# KiCad board WS2812B LED Ring7.kicad_pcb
title: Smart LED WS2812B Ring7; date: 2021-07-26; rev: V1.0.0.; company: SOLDERED; note: 333055
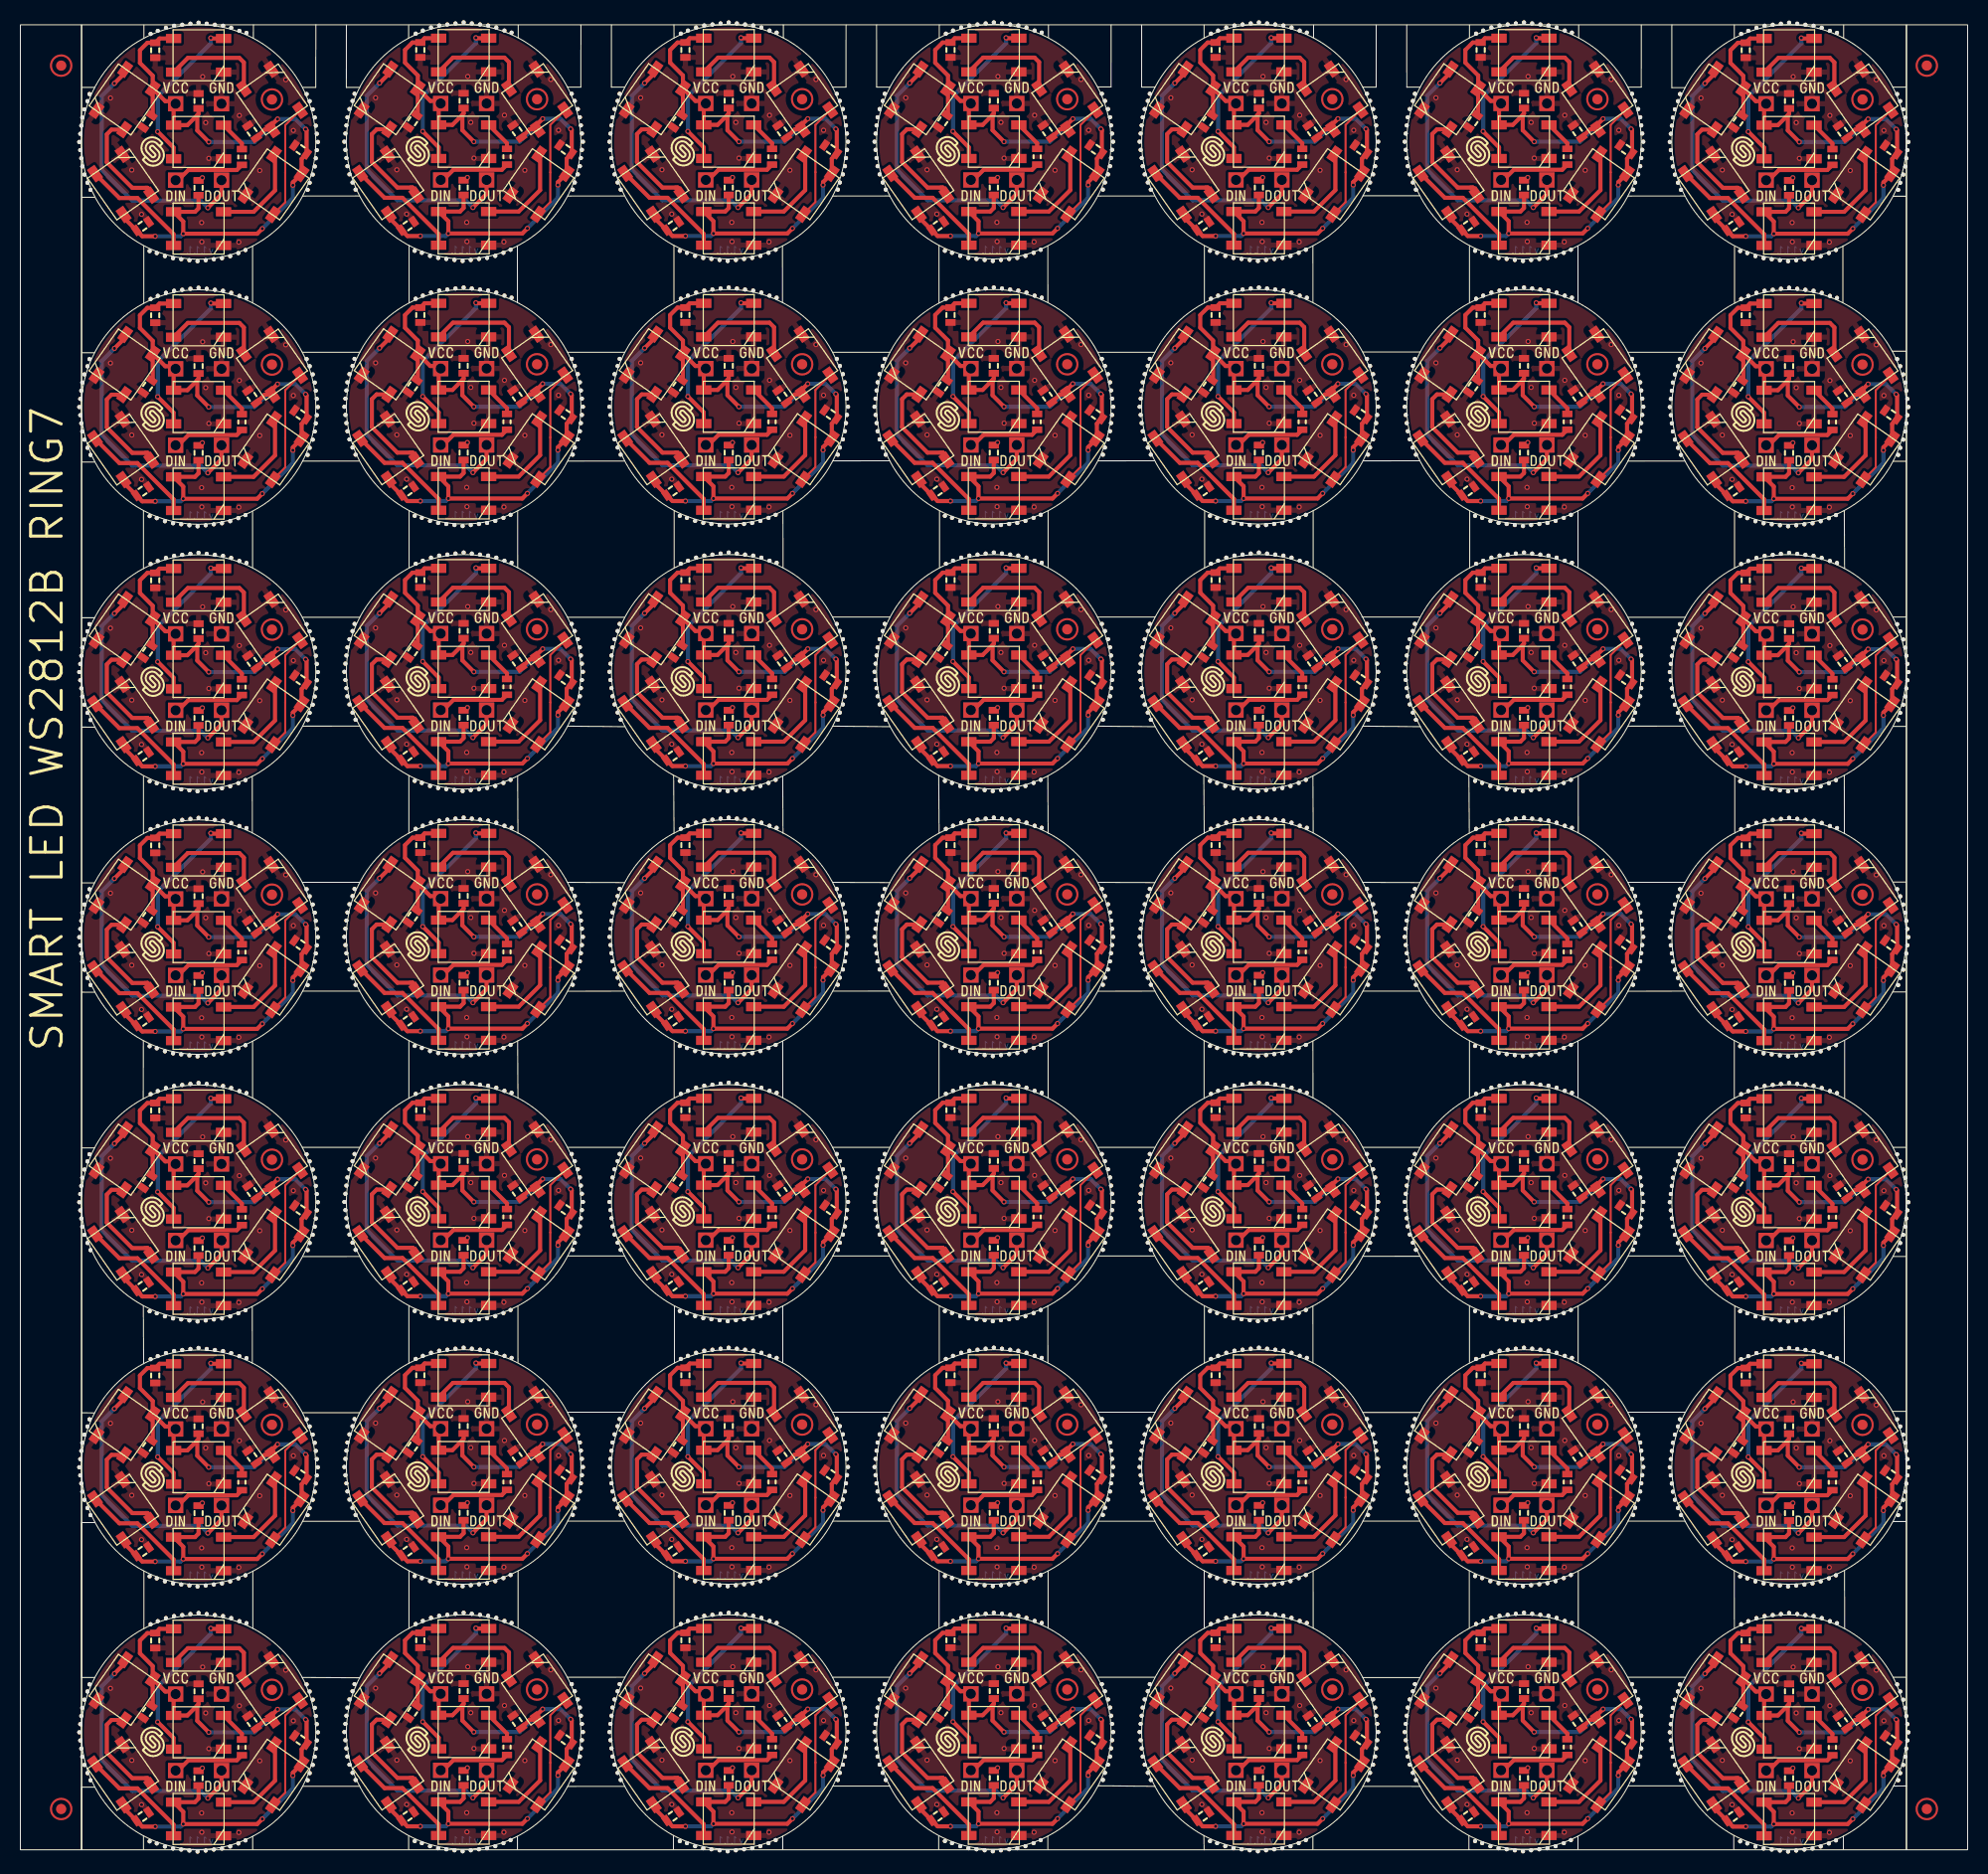
[diagram p0: board, top side]
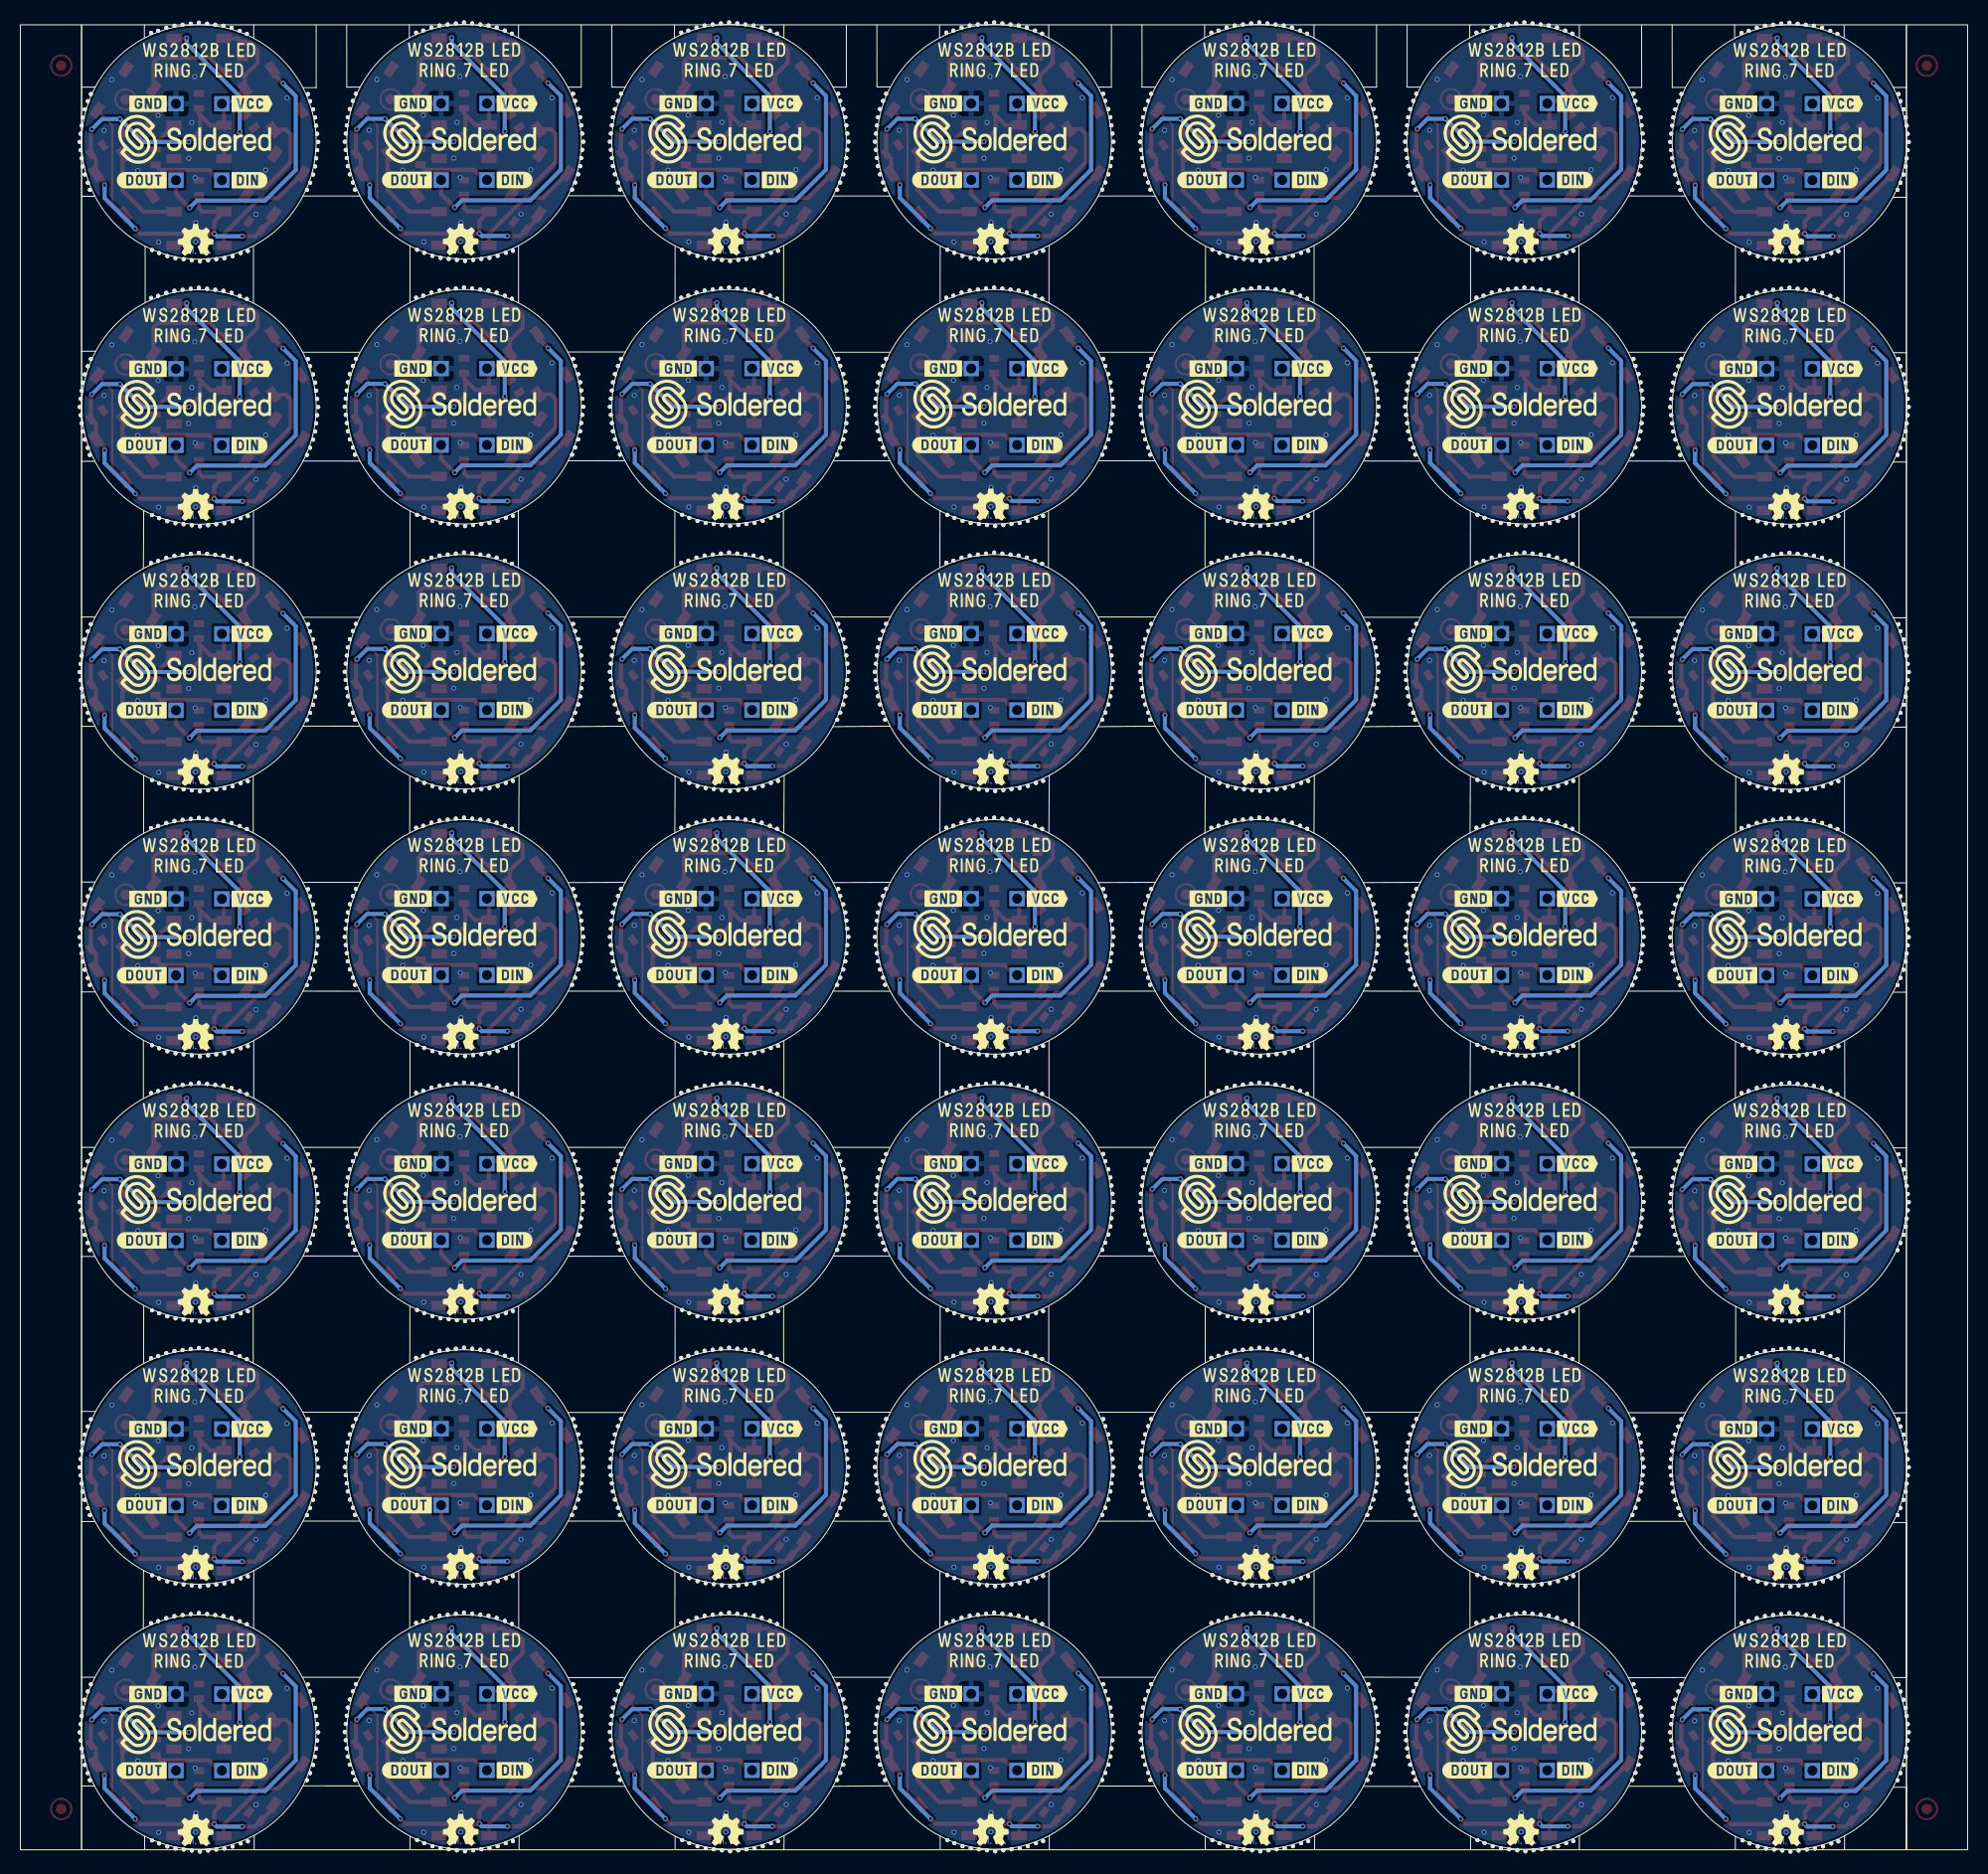
[diagram p1: board, bottom side, seen from below]

Outline 190.99 x 179.06 mm; copper layers: Top, Bottom. Coordinates in mm from the lower left corner of the outline.
Outline path: rectangle 0,179.02 6,0.01 ; rectangle 6,179.02 184.99,0.01 ; circle c17.47,167.53 r11.5 ; circle c17.47,141.53 r11.5 ; circle c17.47,115.53 r11.5 ; circle c17.47,89.53 r11.5 ; circle c17.47,63.53 r11.5 ; circle c17.47,37.53 r11.5 ; circle c17.47,11.53 r11.5 ; circle c43.47,167.56 r11.5 ; circle c43.47,141.56 r11.5 ; circle c43.47,115.56 r11.5 ; circle c43.47,89.56 r11.5 ; circle c43.47,63.56 r11.5 ; circle c43.47,37.56 r11.5 ; circle c43.47,11.56 r11.5 ; circle c69.47,167.56 r11.5 ; circle c69.47,141.56 r11.5 ; circle c69.47,115.56 r11.5 ; circle c69.47,89.56 r11.5 ; circle c69.47,63.56 r11.5 ; circle c69.47,37.56 r11.5 ; circle c69.47,11.56 r11.5 ; circle c95.47,167.56 r11.5 ; circle c95.47,141.56 r11.5 ; circle c95.47,115.56 r11.5 ; circle c95.47,89.56 r11.5 ; circle c95.47,63.56 r11.5 ; circle c95.47,37.56 r11.5 ; circle c95.47,11.56 r11.5 ; circle c121.47,167.56 r11.5 ; circle c121.47,141.56 r11.5 ; circle c121.47,115.56 r11.5 ; circle c121.47,89.56 r11.5 ; circle c121.47,63.56 r11.5 ; circle c121.47,37.56 r11.5 ; circle c121.47,11.56 r11.5 ; circle c147.47,167.56 r11.5 ; circle c147.47,141.56 r11.5 ; circle c147.47,115.56 r11.5 ; circle c147.47,89.56 r11.5 ; circle c147.47,63.56 r11.5 ; circle c147.47,37.56 r11.5 ; circle c147.47,11.56 r11.5 ; circle c173.47,167.53 r11.5 ; circle c173.47,141.53 r11.5 ; circle c173.47,115.56 r11.5 ; circle c173.47,89.56 r11.5 ; circle c173.47,63.56 r11.5 ; circle c173.47,37.56 r11.5 ; circle c173.5,11.56 r11.5 ; rectangle 184.99,179.02 190.99,0.01 ; 6,172.88 7.28,172.88 ; 6,162.11 7.3,162.11 ; 6,136.13 7.28,136.13 ; 6,110.13 7.3,110.13 ; 6,84.13 7.3,84.13 ; 7.32,32.11 6,32.11 6,16.91 7.29,16.91 ; 6,0.01 6,6.15 7.29,6.15 ; 7.27,146.86 6,146.86 ; 7.27,120.86 6,120.86 ; 7.27,94.86 6,94.86 ; 7.27,68.86 6,68.86 ; 7.27,42.86 6,42.88 ; 12.05,73.69 12.06,79.36 ; 12.07,0.06 12.07,1.37 ; 12.08,125.69 12.08,131.36 ; 12.08,99.69 12.08,105.34 ; 12.09,47.7 12.06,53.37 ; 12.1,151.71 12.1,157.33 ; 12.11,179 12.11,177.71 ; 12.11,21.71 12.11,27.35 ; 22.75,99.77 22.75,105.31 ; 22.75,47.76 22.75,53.29 ; 22.78,151.78 22.77,157.32 ; 22.78,125.78 22.77,131.32 ; 22.78,73.74 22.77,79.32 ; 22.78,0.06 22.78,1.33 ; 22.8,21.73 22.8,27.32 ; 22.85,177.71 22.86,179.03 ; 27.65,146.91 33.28,146.91 ; 27.65,120.91 33.28,120.91 ; 27.65,94.91 33.28,94.91 ; 27.65,68.91 33.28,68.91 ; 27.65,16.91 33.28,16.88 ; 27.67,42.88 33.28,42.88 ; 27.71,6.24 33.27,6.24 ; 27.69,172.89 28.97,172.89 28.98,179.03 ; 31.97,179.01 31.97,172.88 33.28,172.88 ; 33.25,162.23 27.7,162.23 ; 33.25,136.23 27.7,136.23 ; 33.27,32.23 27.68,32.23 ; 33.28,84.23 27.7,84.23 ; 33.28,58.21 27.7,58.2 ; 33.3,110.23 27.7,110.23 ; 38.08,179 38.08,177.72 ; 38.08,0.06 38.08,1.38 ; 38.1,105.36 38.1,99.73 ; 38.1,79.36 38.1,73.73 ; 38.1,53.36 38.1,47.73 ; 38.11,27.37 38.11,21.73 ; 38.12,157.4 38.12,151.75 ; 38.12,131.36 38.12,125.78 ; 48.75,151.78 48.75,157.32 ; 48.75,1.32 48.75,0.07 ; 48.78,125.78 48.77,131.32 ; 48.8,99.73 48.77,105.32 ; 48.8,73.76 48.77,79.35 ; 48.8,47.81 48.8,53.34 ; 48.81,21.77 48.81,27.34 ; 48.83,179.01 48.83,177.76 ; 53.65,94.91 59.28,94.88 ; 53.65,16.93 59.29,16.94 ; 53.66,146.91 59.28,146.91 ; 53.67,68.91 59.29,68.91 ; 53.67,120.91 59.28,120.91 ; 53.67,42.94 59.3,42.94 ; 53.7,6.23 59.25,6.23 ; 53.66,172.91 54.97,172.91 54.97,179.01 ; 57.97,179.01 57.97,172.91 59.28,172.91 ; 59.25,162.23 53.7,162.23 ; 59.25,136.23 53.7,136.23 ; 59.25,58.26 53.7,58.25 ; 59.27,32.25 53.68,32.25 ; 59.28,84.23 53.68,84.23 ; 59.31,110.18 53.68,110.23 ; 64.05,0.06 64.05,1.41 ; 64.07,105.41 64.11,99.73 ; 64.1,179.01 64.11,177.74 ; 64.1,157.38 64.1,151.81 ; 64.1,27.39 64.1,21.73 ; 64.12,131.33 64.12,125.76 ; 64.12,79.36 64.12,73.76 ; 64.15,53.33 64.15,47.76 ; 74.75,151.78 74.75,157.32 ; 74.77,1.34 74.77,0.06 ; 74.78,73.78 74.77,79.32 ; 74.78,47.81 74.77,53.34 ; 74.8,125.81 74.79,131.34 ; 74.8,99.73 74.77,105.32 ; 74.84,179.01 74.84,177.76 ; 79.65,120.94 85.3,120.94 ; 79.65,94.91 85.28,94.88 ; 79.65,16.93 85.28,16.93 ; 79.66,68.91 85.28,68.91 ; 79.68,146.91 85.28,146.91 ; 79.68,42.94 85.3,42.94 ; 79.7,6.26 85.27,6.26 ; 79.66,172.91 80.97,172.91 80.98,179.01 ; 83.97,179.01 83.98,172.91 85.28,172.91 ; 85.22,58.26 79.68,58.25 ; 85.25,136.26 79.71,136.25 ; 85.28,162.23 79.68,162.23 ; 85.28,84.24 79.68,84.23 ; 85.28,32.24 79.68,32.25 ; 85.31,110.18 79.68,110.23 ; 90.07,105.41 90.11,99.73 ; 90.07,1.39 90.07,0.06 ; 90.1,157.36 90.1,151.73 ; 90.1,79.36 90.1,73.73 ; 90.11,27.36 90.11,21.75 ; 90.12,179.01 90.12,177.73 ; 90.12,53.36 90.12,47.76 ; 90.15,131.33 90.15,125.76 ; 100.77,1.33 100.77,0.06 ; 100.78,151.78 100.77,157.32 ; 100.78,47.81 100.77,53.34 ; 100.8,125.78 100.79,131.34 ; 100.8,99.73 100.77,105.32 ; 100.8,73.76 100.8,79.36 ; 100.8,21.75 100.8,27.35 ; 100.83,179.02 100.84,177.78 ; 105.65,120.94 111.3,120.94 ; 105.65,94.91 111.28,94.88 ; 105.65,16.93 111.28,16.93 ; 105.68,146.91 111.28,146.91 ; 105.68,68.91 111.28,68.91 ; 105.68,42.94 111.3,42.94 ; 105.7,6.29 111.28,6.23 ; 105.66,172.94 106.97,172.94 106.98,179.02 ; 109.97,179.01 109.97,172.91 111.28,172.91 ; 111.22,58.26 105.68,58.25 ; 111.25,162.23 105.68,162.23 ; 111.25,136.26 105.71,136.25 ; 111.28,84.23 105.68,84.23 ; 111.28,32.24 105.68,32.24 ; 111.31,110.18 105.68,110.23 ; 116.07,105.41 116.11,99.73 ; 116.1,179.01 116.1,177.76 ; 116.1,79.36 116.1,73.73 ; 116.1,0 116.07,1.41 ; 116.11,27.38 116.11,21.75 ; 116.12,157.33 116.12,151.76 ; 116.12,53.36 116.12,47.76 ; 116.15,131.33 116.15,125.76 ; 126.77,0.06 126.77,1.34 ; 126.78,151.81 126.77,157.34 ; 126.78,47.78 126.77,53.32 ; 126.78,73.77 126.77,79.32 ; 126.8,125.81 126.79,131.34 ; 126.8,99.76 126.77,105.35 ; 126.8,21.75 126.79,27.36 ; 126.84,179.01 126.84,177.76 ; 131.57,120.93 137.25,120.93 ; 131.65,94.91 137.28,94.88 ; 131.67,16.9 137.28,16.9 ; 131.68,146.94 137.3,146.94 ; 131.68,68.91 137.28,68.91 ; 131.68,42.91 137.28,42.91 ; 131.68,6.23 137.29,6.23 ; 131.66,172.91 132.97,172.91 132.98,179.01 ; 135.97,179.01 135.98,172.91 137.29,172.91 ; 137.22,162.26 131.68,162.25 ; 137.22,58.23 131.68,58.23 ; 137.25,136.26 131.71,136.25 ; 137.26,32.25 131.68,32.25 ; 137.28,84.23 131.68,84.23 ; 137.31,110.18 131.68,110.23 ; 142.07,105.41 142.11,99.73 ; 142.07,1.41 142.07,0.01 ; 142.11,27.38 142.11,21.75 ; 142.12,179.01 142.12,177.76 ; 142.12,157.33 142.12,151.76 ; 142.12,79.36 142.12,73.76 ; 142.12,53.36 142.12,47.81 ; 142.15,131.33 142.15,125.76 ; 152.77,0.06 152.77,1.33 ; 152.78,151.78 152.77,157.32 ; 152.78,125.78 152.77,131.32 ; 152.78,73.78 152.77,79.32 ; 152.79,47.76 152.78,53.29 ; 152.8,99.78 152.79,105.33 ; 152.8,21.76 152.8,27.34 ; 152.84,179.01 152.84,177.76 ; 157.65,16.93 163.33,16.93 ; 157.66,42.94 163.3,42.94 ; 157.66,120.91 163.29,120.91 ; 157.68,146.91 163.3,146.91 ; 157.68,94.91 163.28,94.91 ; 157.68,68.91 163.28,68.91 ; 157.7,6.28 163.28,6.28 ; 157.66,172.91 158.97,172.91 158.98,179.01 ; 161.97,179.01 161.97,172.86 163.28,172.86 ; 163.22,162.23 157.68,162.23 ; 163.22,136.23 157.68,136.23 ; 163.25,110.23 157.71,110.23 ; 163.25,58.26 157.71,58.25 ; 163.26,32.25 157.68,32.25 ; 163.28,84.23 157.68,84.23 ; 168.05,1.42 168.05,0.06 ; 168.1,179.01 168.1,177.71 ; 168.1,79.36 168.1,73.73 ; 168.1,27.39 168.11,21.75 ; 168.12,157.31 168.12,151.73 ; 168.12,131.33 168.12,125.73 ; 168.15,105.36 168.15,99.76 ; 168.15,53.33 168.15,47.76 ; 178.75,151.76 178.75,157.31 ; 178.8,0.06 178.8,1.35 ; 178.82,177.73 178.82,179.01 ; 178.89,131.38 178.92,125.7 ; 178.89,105.38 178.9,99.7 ; 178.89,53.41 178.9,47.71 ; 178.91,27.41 178.93,21.73 ; 178.93,79.41 178.92,73.71 ; 183.65,84.16 184.97,84.16 ; 183.68,162.21 184.97,162.21 ; 183.68,136.21 184.97,136.21 ; 183.68,110.21 184.97,110.21 ; 183.68,58.21 184.97,58.21 ; 183.68,32.21 184.97,32.21 ; 183.72,6.26 184.99,6.27 ; 184.97,172.91 183.65,172.91 ; 184.97,147.01 183.6,147.01 ; 184.97,120.94 183.68,120.94 ; 184.97,94.94 183.68,94.94 ; 184.97,68.91 183.68,68.91 ; 184.97,16.94 183.68,16.94 ; 184.98,43.01 183.6,43.01
Stack: Top 0.035mm / dielectric 1.51mm FR4 er 4.5 / Bottom 0.035mm

## Placement (name value [footprint] x y rotation side)
C1  100n  [0603C]  17.47 145.56 90 top
C1#2  100n  [0603C]  95.47 145.58 90 top
C1#3  100n  [0603C]  43.47 67.58 90 top
C1#4  100n  [0603C]  69.47 67.58 90 top
C1#5  100n  [0603C]  17.47 119.55 90 top
C1#6  100n  [0603C]  121.47 67.58 90 top
C1#7  100n  [0603C]  121.47 119.58 90 top
C1#8  100n  [0603C]  95.47 15.58 90 top
C1#9  100n  [0603C]  121.47 41.58 90 top
C1#10  100n  [0603C]  43.47 41.58 90 top
C1#11  100n  [0603C]  147.47 145.58 90 top
C1#12  100n  [0603C]  17.47 171.56 90 top
C1#13  100n  [0603C]  173.47 119.55 90 top
C1#14  100n  [0603C]  121.47 171.58 90 top
C1#15  100n  [0603C]  43.47 119.58 90 top
C1#16  100n  [0603C]  147.47 15.58 90 top
C1#17  100n  [0603C]  43.47 93.58 90 top
C1#18  100n  [0603C]  69.47 15.58 90 top
C1#19  100n  [0603C]  17.47 41.55 90 top
C1#20  100n  [0603C]  121.47 15.58 90 top
C1#21  100n  [0603C]  121.47 145.58 90 top
C1#22  100n  [0603C]  69.47 119.58 90 top
C1#23  100n  [0603C]  17.47 93.55 90 top
C1#24  100n  [0603C]  173.47 171.56 90 top
C1#25  100n  [0603C]  147.47 67.58 90 top
C1#26  100n  [0603C]  69.47 93.58 90 top
C1#27  100n  [0603C]  69.47 145.58 90 top
C1#28  100n  [0603C]  147.47 171.58 90 top
C1#29  100n  [0603C]  95.47 93.58 90 top
C1#30  100n  [0603C]  173.47 67.55 90 top
C1#31  100n  [0603C]  95.47 171.58 90 top
C1#32  100n  [0603C]  43.47 145.58 90 top
C1#33  100n  [0603C]  173.47 15.55 90 top
C1#34  100n  [0603C]  43.47 171.58 90 top
C1#35  100n  [0603C]  147.47 93.58 90 top
C1#36  100n  [0603C]  17.47 67.55 90 top
C1#37  100n  [0603C]  147.47 119.58 90 top
C1#38  100n  [0603C]  173.47 93.55 90 top
C1#39  100n  [0603C]  95.47 41.58 90 top
C1#40  100n  [0603C]  69.47 41.58 90 top
C1#41  100n  [0603C]  17.47 15.55 90 top
C1#42  100n  [0603C]  173.47 41.55 90 top
C1#43  100n  [0603C]  147.47 41.58 90 top
C1#44  100n  [0603C]  95.47 119.58 90 top
C1#45  100n  [0603C]  121.47 93.58 90 top
C1#46  100n  [0603C]  43.47 15.58 90 top
C1#47  100n  [0603C]  95.47 67.58 90 top
C1#48  100n  [0603C]  173.47 145.56 90 top
C1#49  100n  [0603C]  69.47 171.58 90 top
C2  100n  [0603C]  169.22 176.53 270 top
C2#2  100n  [0603C]  65.22 20.56 270 top
C2#3  100n  [0603C]  143.22 124.56 270 top
C2#4  100n  [0603C]  91.22 46.56 270 top
C2#5  100n  [0603C]  65.22 176.56 270 top
C2#6  100n  [0603C]  13.22 72.53 270 top
C2#7  100n  [0603C]  65.22 72.56 270 top
C2#8  100n  [0603C]  65.22 124.56 270 top
C2#9  100n  [0603C]  13.22 176.53 270 top
C2#10  100n  [0603C]  169.22 98.53 270 top
C2#11  100n  [0603C]  169.22 124.53 270 top
C2#12  100n  [0603C]  91.22 98.56 270 top
C2#13  100n  [0603C]  39.22 98.56 270 top
C2#14  100n  [0603C]  117.22 72.56 270 top
C2#15  100n  [0603C]  13.22 20.53 270 top
C2#16  100n  [0603C]  13.22 150.53 270 top
C2#17  100n  [0603C]  39.22 72.56 270 top
C2#18  100n  [0603C]  65.22 150.56 270 top
C2#19  100n  [0603C]  169.22 46.53 270 top
C2#20  100n  [0603C]  143.22 20.56 270 top
C2#21  100n  [0603C]  117.22 98.56 270 top
C2#22  100n  [0603C]  117.22 46.56 270 top
C2#23  100n  [0603C]  91.22 72.56 270 top
C2#24  100n  [0603C]  39.22 150.56 270 top
C2#25  100n  [0603C]  91.22 20.56 270 top
C2#26  100n  [0603C]  143.22 150.56 270 top
C2#27  100n  [0603C]  39.22 124.56 270 top
C2#28  100n  [0603C]  39.22 176.56 270 top
C2#29  100n  [0603C]  91.22 150.56 270 top
C2#30  100n  [0603C]  65.22 46.56 270 top
C2#31  100n  [0603C]  117.22 124.56 270 top
C2#32  100n  [0603C]  13.22 98.53 270 top
C2#33  100n  [0603C]  143.22 46.56 270 top
C2#34  100n  [0603C]  169.22 20.53 270 top
C2#35  100n  [0603C]  143.22 98.56 270 top
C2#36  100n  [0603C]  117.22 150.56 270 top
C2#37  100n  [0603C]  143.22 72.56 270 top
C2#38  100n  [0603C]  117.22 176.56 270 top
C2#39  100n  [0603C]  91.22 124.56 270 top
C2#40  100n  [0603C]  39.22 46.56 270 top
C2#41  100n  [0603C]  13.22 46.53 270 top
C2#42  100n  [0603C]  91.22 176.56 270 top
C2#43  100n  [0603C]  143.22 176.56 270 top
C2#44  100n  [0603C]  65.22 98.56 270 top
C2#45  100n  [0603C]  169.22 72.53 270 top
C2#46  100n  [0603C]  13.22 124.53 270 top
C2#47  100n  [0603C]  117.22 20.56 270 top
C2#48  100n  [0603C]  39.22 20.56 270 top
C2#49  100n  [0603C]  169.22 150.53 270 top
C3  100n  [0603C]  152.72 90.56 125 top
C3#2  100n  [0603C]  126.72 90.56 125 top
C3#3  100n  [0603C]  22.72 90.53 125 top
C3#4  100n  [0603C]  178.72 116.53 125 top
C3#5  100n  [0603C]  126.72 38.56 125 top
C3#6  100n  [0603C]  22.72 64.53 125 top
C3#7  100n  [0603C]  100.72 116.56 125 top
C3#8  100n  [0603C]  48.72 12.56 125 top
C3#9  100n  [0603C]  48.72 90.56 125 top
C3#10  100n  [0603C]  152.72 64.56 125 top
C3#11  100n  [0603C]  126.72 142.56 125 top
C3#12  100n  [0603C]  74.72 12.56 125 top
C3#13  100n  [0603C]  152.72 38.56 125 top
C3#14  100n  [0603C]  74.72 90.56 125 top
C3#15  100n  [0603C]  100.72 38.56 125 top
C3#16  100n  [0603C]  22.72 116.53 125 top
C3#17  100n  [0603C]  48.72 168.56 125 top
C3#18  100n  [0603C]  74.72 38.56 125 top
C3#19  100n  [0603C]  126.72 12.56 125 top
C3#20  100n  [0603C]  48.72 142.56 125 top
C3#21  100n  [0603C]  100.72 12.56 125 top
C3#22  100n  [0603C]  100.72 142.56 125 top
C3#23  100n  [0603C]  152.72 142.56 125 top
C3#24  100n  [0603C]  126.72 168.56 125 top
C3#25  100n  [0603C]  22.72 38.53 125 top
C3#26  100n  [0603C]  100.72 168.56 125 top
C3#27  100n  [0603C]  100.72 64.56 125 top
C3#28  100n  [0603C]  74.72 168.56 125 top
C3#29  100n  [0603C]  152.72 168.56 125 top
C3#30  100n  [0603C]  74.72 64.56 125 top
C3#31  100n  [0603C]  48.72 116.56 125 top
C3#32  100n  [0603C]  178.72 168.53 125 top
C3#33  100n  [0603C]  48.72 64.56 125 top
C3#34  100n  [0603C]  22.72 168.53 125 top
C3#35  100n  [0603C]  178.72 64.53 125 top
C3#36  100n  [0603C]  126.72 64.56 125 top
C3#37  100n  [0603C]  152.72 116.56 125 top
C3#38  100n  [0603C]  152.72 12.56 125 top
C3#39  100n  [0603C]  126.72 116.56 125 top
C3#40  100n  [0603C]  48.72 38.56 125 top
C3#41  100n  [0603C]  22.72 142.53 125 top
C3#42  100n  [0603C]  22.72 12.53 125 top
C3#43  100n  [0603C]  74.72 142.56 125 top
C3#44  100n  [0603C]  100.72 90.56 125 top
C3#45  100n  [0603C]  74.72 116.56 125 top
C3#46  100n  [0603C]  178.72 38.53 125 top
C3#47  100n  [0603C]  178.72 12.53 125 top
C3#48  100n  [0603C]  178.72 90.53 125 top
C3#49  100n  [0603C]  178.72 142.53 125 top
C4  100n  [0603C]  105.47 114.81 145 top
C4#2  100n  [0603C]  79.47 10.81 145 top
C4#3  100n  [0603C]  157.47 166.81 145 top
C4#4  100n  [0603C]  27.47 88.78 145 top
C4#5  100n  [0603C]  183.47 10.78 145 top
C4#6  100n  [0603C]  105.47 62.81 145 top
C4#7  100n  [0603C]  105.47 166.81 145 top
C4#8  100n  [0603C]  131.47 88.81 145 top
C4#9  100n  [0603C]  157.47 140.81 145 top
C4#10  100n  [0603C]  27.47 140.78 145 top
C4#11  100n  [0603C]  157.47 114.81 145 top
C4#12  100n  [0603C]  79.47 36.81 145 top
C4#13  100n  [0603C]  53.47 166.81 145 top
C4#14  100n  [0603C]  157.47 62.81 145 top
C4#15  100n  [0603C]  183.47 62.78 145 top
C4#16  100n  [0603C]  183.47 36.78 145 top
C4#17  100n  [0603C]  131.47 62.81 145 top
C4#18  100n  [0603C]  131.47 166.81 145 top
C4#19  100n  [0603C]  53.47 140.81 145 top
C4#20  100n  [0603C]  79.47 140.81 145 top
C4#21  100n  [0603C]  183.47 166.78 145 top
C4#22  100n  [0603C]  105.47 140.81 145 top
C4#23  100n  [0603C]  27.47 114.78 145 top
C4#24  100n  [0603C]  79.47 88.81 145 top
C4#25  100n  [0603C]  157.47 88.81 145 top
C4#26  100n  [0603C]  131.47 140.81 145 top
C4#27  100n  [0603C]  131.47 10.81 145 top
C4#28  100n  [0603C]  53.47 88.81 145 top
C4#29  100n  [0603C]  183.47 114.78 145 top
C4#30  100n  [0603C]  27.47 62.78 145 top
C4#31  100n  [0603C]  105.47 36.81 145 top
C4#32  100n  [0603C]  27.47 36.78 145 top
C4#33  100n  [0603C]  105.47 10.81 145 top
C4#34  100n  [0603C]  79.47 62.81 145 top
C4#35  100n  [0603C]  105.47 88.81 145 top
C4#36  100n  [0603C]  131.47 114.81 145 top
C4#37  100n  [0603C]  27.47 10.78 145 top
C4#38  100n  [0603C]  183.47 88.78 145 top
C4#39  100n  [0603C]  131.47 36.81 145 top
C4#40  100n  [0603C]  53.47 36.81 145 top
C4#41  100n  [0603C]  27.47 166.78 145 top
C4#42  100n  [0603C]  53.47 114.81 145 top
C4#43  100n  [0603C]  53.47 62.81 145 top
C4#44  100n  [0603C]  157.47 36.81 145 top
C4#45  100n  [0603C]  53.47 10.81 145 top
C4#46  100n  [0603C]  157.47 10.81 145 top
C4#47  100n  [0603C]  79.47 114.81 145 top
C4#48  100n  [0603C]  79.47 166.81 145 top
C4#49  100n  [0603C]  183.47 140.78 145 top
C5  100n  [0603C]  121.47 33.06 90 top
C5#2  100n  [0603C]  69.47 33.06 90 top
C5#3  100n  [0603C]  69.47 7.06 90 top
C5#4  100n  [0603C]  173.47 111.03 90 top
C5#5  100n  [0603C]  95.47 59.06 90 top
C5#6  100n  [0603C]  43.47 111.06 90 top
C5#7  100n  [0603C]  17.47 7.03 90 top
C5#8  100n  [0603C]  17.47 163.03 90 top
C5#9  100n  [0603C]  95.47 33.06 90 top
C5#10  100n  [0603C]  95.47 7.06 90 top
C5#11  100n  [0603C]  69.47 85.06 90 top
C5#12  100n  [0603C]  173.47 85.03 90 top
C5#13  100n  [0603C]  147.47 85.06 90 top
C5#14  100n  [0603C]  173.47 7.03 90 top
C5#15  100n  [0603C]  95.47 111.06 90 top
C5#16  100n  [0603C]  147.47 7.06 90 top
C5#17  100n  [0603C]  43.47 7.06 90 top
C5#18  100n  [0603C]  173.47 33.03 90 top
C5#19  100n  [0603C]  121.47 163.06 90 top
C5#20  100n  [0603C]  147.47 59.06 90 top
C5#21  100n  [0603C]  147.47 33.06 90 top
C5#22  100n  [0603C]  95.47 137.06 90 top
C5#23  100n  [0603C]  95.47 163.06 90 top
C5#24  100n  [0603C]  17.47 137.03 90 top
C5#25  100n  [0603C]  69.47 59.06 90 top
C5#26  100n  [0603C]  17.47 59.03 90 top
C5#27  100n  [0603C]  121.47 59.06 90 top
C5#28  100n  [0603C]  173.47 59.03 90 top
C5#29  100n  [0603C]  17.47 111.03 90 top
C5#30  100n  [0603C]  147.47 137.06 90 top
C5#31  100n  [0603C]  17.47 85.03 90 top
C5#32  100n  [0603C]  147.47 163.06 90 top
C5#33  100n  [0603C]  147.47 111.06 90 top
C5#34  100n  [0603C]  121.47 7.06 90 top
C5#35  100n  [0603C]  69.47 111.06 90 top
C5#36  100n  [0603C]  173.47 137.03 90 top
C5#37  100n  [0603C]  69.47 137.06 90 top
C5#38  100n  [0603C]  43.47 137.06 90 top
C5#39  100n  [0603C]  43.47 33.06 90 top
C5#40  100n  [0603C]  43.47 59.06 90 top
C5#41  100n  [0603C]  43.47 163.06 90 top
C5#42  100n  [0603C]  121.47 111.06 90 top
C5#43  100n  [0603C]  69.47 163.06 90 top
C5#44  100n  [0603C]  43.47 85.06 90 top
C5#45  100n  [0603C]  95.47 85.06 90 top
C5#46  100n  [0603C]  17.47 33.03 90 top
C5#47  100n  [0603C]  121.47 85.06 90 top
C5#48  100n  [0603C]  121.47 137.06 90 top
C5#49  100n  [0603C]  173.47 163.03 90 top
C6  100n  [0603C]  89.97 133.31 35 top
C6#2  100n  [0603C]  141.97 133.31 35 top
C6#3  100n  [0603C]  115.97 3.31 35 top
C6#4  100n  [0603C]  11.97 81.28 35 top
C6#5  100n  [0603C]  141.97 3.31 35 top
C6#6  100n  [0603C]  11.97 55.28 35 top
C6#7  100n  [0603C]  115.97 81.31 35 top
C6#8  100n  [0603C]  37.97 3.31 35 top
C6#9  100n  [0603C]  89.97 159.31 35 top
C6#10  100n  [0603C]  63.97 55.31 35 top
C6#11  100n  [0603C]  11.97 3.28 35 top
C6#12  100n  [0603C]  89.97 29.31 35 top
C6#13  100n  [0603C]  37.97 55.31 35 top
C6#14  100n  [0603C]  167.97 29.28 35 top
C6#15  100n  [0603C]  141.97 159.31 35 top
C6#16  100n  [0603C]  167.97 107.28 35 top
C6#17  100n  [0603C]  89.97 3.31 35 top
C6#18  100n  [0603C]  63.97 29.31 35 top
C6#19  100n  [0603C]  11.97 133.28 35 top
C6#20  100n  [0603C]  63.97 133.31 35 top
C6#21  100n  [0603C]  63.97 107.31 35 top
C6#22  100n  [0603C]  141.97 29.31 35 top
C6#23  100n  [0603C]  11.97 29.28 35 top
C6#24  100n  [0603C]  37.97 81.31 35 top
C6#25  100n  [0603C]  167.97 3.28 35 top
C6#26  100n  [0603C]  37.97 29.31 35 top
C6#27  100n  [0603C]  89.97 107.31 35 top
C6#28  100n  [0603C]  141.97 107.31 35 top
C6#29  100n  [0603C]  63.97 3.31 35 top
C6#30  100n  [0603C]  37.97 107.31 35 top
C6#31  100n  [0603C]  167.97 55.28 35 top
C6#32  100n  [0603C]  63.97 159.31 35 top
C6#33  100n  [0603C]  115.97 159.31 35 top
C6#34  100n  [0603C]  63.97 81.31 35 top
C6#35  100n  [0603C]  141.97 55.31 35 top
C6#36  100n  [0603C]  115.97 107.31 35 top
C6#37  100n  [0603C]  37.97 159.31 35 top
C6#38  100n  [0603C]  89.97 55.31 35 top
C6#39  100n  [0603C]  141.97 81.31 35 top
C6#40  100n  [0603C]  167.97 81.28 35 top
C6#41  100n  [0603C]  115.97 29.31 35 top
C6#42  100n  [0603C]  89.97 81.31 35 top
C6#43  100n  [0603C]  11.97 159.28 35 top
C6#44  100n  [0603C]  167.97 159.28 35 top
C6#45  100n  [0603C]  11.97 107.28 35 top
C6#46  100n  [0603C]  115.97 133.31 35 top
C6#47  100n  [0603C]  167.97 133.28 35 top
C6#48  100n  [0603C]  115.97 55.31 35 top
C6#49  100n  [0603C]  37.97 133.31 35 top
C7  100n  [0603C]  64.47 39.56 235 top
C7#2  100n  [0603C]  142.47 169.56 235 top
C7#3  100n  [0603C]  168.47 13.53 235 top
C7#4  100n  [0603C]  38.47 117.56 235 top
C7#5  100n  [0603C]  38.47 13.56 235 top
C7#6  100n  [0603C]  168.47 39.53 235 top
C7#7  100n  [0603C]  38.47 65.56 235 top
C7#8  100n  [0603C]  90.47 13.56 235 top
C7#9  100n  [0603C]  116.47 117.56 235 top
C7#10  100n  [0603C]  64.47 169.56 235 top
C7#11  100n  [0603C]  12.47 91.53 235 top
C7#12  100n  [0603C]  168.47 65.53 235 top
C7#13  100n  [0603C]  38.47 169.56 235 top
C7#14  100n  [0603C]  38.47 39.56 235 top
C7#15  100n  [0603C]  142.47 65.56 235 top
C7#16  100n  [0603C]  168.47 91.53 235 top
C7#17  100n  [0603C]  90.47 117.56 235 top
C7#18  100n  [0603C]  142.47 39.56 235 top
C7#19  100n  [0603C]  142.47 13.56 235 top
C7#20  100n  [0603C]  116.47 39.56 235 top
C7#21  100n  [0603C]  38.47 143.56 235 top
C7#22  100n  [0603C]  38.47 91.56 235 top
C7#23  100n  [0603C]  116.47 91.56 235 top
C7#24  100n  [0603C]  64.47 65.56 235 top
C7#25  100n  [0603C]  116.47 169.56 235 top
C7#26  100n  [0603C]  116.47 65.56 235 top
C7#27  100n  [0603C]  64.47 143.56 235 top
C7#28  100n  [0603C]  12.47 143.53 235 top
C7#29  100n  [0603C]  12.47 39.53 235 top
C7#30  100n  [0603C]  12.47 169.53 235 top
C7#31  100n  [0603C]  116.47 143.56 235 top
C7#32  100n  [0603C]  64.47 117.56 235 top
C7#33  100n  [0603C]  116.47 13.56 235 top
C7#34  100n  [0603C]  90.47 91.56 235 top
C7#35  100n  [0603C]  90.47 65.56 235 top
C7#36  100n  [0603C]  12.47 117.53 235 top
C7#37  100n  [0603C]  12.47 13.53 235 top
C7#38  100n  [0603C]  64.47 91.56 235 top
C7#39  100n  [0603C]  12.47 65.53 235 top
C7#40  100n  [0603C]  142.47 91.56 235 top
C7#41  100n  [0603C]  64.47 13.56 235 top
C7#42  100n  [0603C]  168.47 117.53 235 top
C7#43  100n  [0603C]  142.47 143.56 235 top
C7#44  100n  [0603C]  90.47 143.56 235 top
C7#45  100n  [0603C]  168.47 169.53 235 top
C7#46  100n  [0603C]  90.47 169.56 235 top
C7#47  100n  [0603C]  142.47 117.56 235 top
C7#48  100n  [0603C]  168.47 143.53 235 top
C7#49  100n  [0603C]  90.47 39.56 235 top
FD1  FIDUCIAL  [FIDUCIAL_23]  102.68 15.73 0 top
FD1#2  FIDUCIAL  [FIDUCIAL_23]  180.68 145.7 0 top
FD1#3  FIDUCIAL  [FIDUCIAL_23]  154.68 145.73 0 top
FD1#4  FIDUCIAL  [FIDUCIAL_23]  154.68 41.73 0 top
FD1#5  FIDUCIAL  [FIDUCIAL_23]  4 175.02 0 top
FD1#6  FIDUCIAL  [FIDUCIAL_23]  128.68 93.73 0 top
FD1#7  FIDUCIAL  [FIDUCIAL_23]  102.68 171.73 0 top
FD1#8  FIDUCIAL  [FIDUCIAL_23]  102.68 67.73 0 top
FD1#9  FIDUCIAL  [FIDUCIAL_23]  128.68 145.73 0 top
FD1#10  FIDUCIAL  [FIDUCIAL_23]  154.68 93.73 0 top
FD1#11  FIDUCIAL  [FIDUCIAL_23]  50.67 67.73 0 top
FD1#12  FIDUCIAL  [FIDUCIAL_23]  50.67 41.73 0 top
FD1#13  FIDUCIAL  [FIDUCIAL_23]  24.67 15.7 0 top
FD1#14  FIDUCIAL  [FIDUCIAL_23]  24.67 145.7 0 top
FD1#15  FIDUCIAL  [FIDUCIAL_23]  128.68 67.73 0 top
FD1#16  FIDUCIAL  [FIDUCIAL_23]  50.67 93.73 0 top
FD1#17  FIDUCIAL  [FIDUCIAL_23]  102.68 93.73 0 top
FD1#18  FIDUCIAL  [FIDUCIAL_23]  180.68 41.7 0 top
FD1#19  FIDUCIAL  [FIDUCIAL_23]  154.68 171.73 0 top
FD1#20  FIDUCIAL  [FIDUCIAL_23]  102.68 119.73 0 top
FD1#21  FIDUCIAL  [FIDUCIAL_23]  128.68 15.73 0 top
FD1#22  FIDUCIAL  [FIDUCIAL_23]  180.68 171.7 0 top
FD1#23  FIDUCIAL  [FIDUCIAL_23]  128.68 41.73 0 top
FD1#24  FIDUCIAL  [FIDUCIAL_23]  154.68 15.73 0 top
FD1#25  FIDUCIAL  [FIDUCIAL_23]  4 4.01 0 top
FD1#26  FIDUCIAL  [FIDUCIAL_23]  76.68 41.73 0 top
FD1#27  FIDUCIAL  [FIDUCIAL_23]  50.67 145.73 0 top
FD1#28  FIDUCIAL  [FIDUCIAL_23]  154.68 119.73 0 top
FD1#29  FIDUCIAL  [FIDUCIAL_23]  24.67 67.7 0 top
FD1#30  FIDUCIAL  [FIDUCIAL_23]  50.67 15.73 0 top
FD1#31  FIDUCIAL  [FIDUCIAL_23]  24.67 93.7 0 top
FD1#32  FIDUCIAL  [FIDUCIAL_23]  128.68 171.73 0 top
FD1#33  FIDUCIAL  [FIDUCIAL_23]  76.68 145.73 0 top
FD1#34  FIDUCIAL  [FIDUCIAL_23]  180.68 119.7 0 top
FD1#35  FIDUCIAL  [FIDUCIAL_23]  186.99 175.02 0 top
FD1#36  FIDUCIAL  [FIDUCIAL_23]  50.67 171.73 0 top
FD1#37  FIDUCIAL  [FIDUCIAL_23]  24.67 119.7 0 top
FD1#38  FIDUCIAL  [FIDUCIAL_23]  128.68 119.73 0 top
FD1#39  FIDUCIAL  [FIDUCIAL_23]  102.68 41.73 0 top
FD1#40  FIDUCIAL  [FIDUCIAL_23]  180.68 93.7 0 top
FD1#41  FIDUCIAL  [FIDUCIAL_23]  50.67 119.73 0 top
FD1#42  FIDUCIAL  [FIDUCIAL_23]  76.68 93.73 0 top
FD1#43  FIDUCIAL  [FIDUCIAL_23]  76.68 119.73 0 top
FD1#44  FIDUCIAL  [FIDUCIAL_23]  24.67 41.7 0 top
FD1#45  FIDUCIAL  [FIDUCIAL_23]  24.67 171.7 0 top
FD1#46  FIDUCIAL  [FIDUCIAL_23]  154.68 67.73 0 top
FD1#47  FIDUCIAL  [FIDUCIAL_23]  76.68 67.73 0 top
FD1#48  FIDUCIAL  [FIDUCIAL_23]  76.68 171.73 0 top
FD1#49  FIDUCIAL  [FIDUCIAL_23]  180.68 67.7 0 top
FD1#50  FIDUCIAL  [FIDUCIAL_23]  102.68 145.73 0 top
FD1#51  FIDUCIAL  [FIDUCIAL_23]  180.68 15.7 0 top
FD1#52  FIDUCIAL  [FIDUCIAL_23]  76.68 15.73 0 top
FD1#53  FIDUCIAL  [FIDUCIAL_23]  186.99 4.01 0 top
G***  LOGO  [Logo-Back-OSH-3.5mm]  17.81 1.93 0 top
G***#2  LOGO  [Logo-Back-OSH-3.5mm]  147.81 105.95 0 top